# Altium PCB FMC_ADC_100M_10B_16CHA_TDC.PcbDoc (part 6 of 12)
Units mil, origin at the board's own origin, x right, y up, seen from the top; angles counter-clockwise.
Board outline 3037.39 x 2716.54 mil, 6 copper layers (TOP, G1, L2, L3, P3, BOTTOM), stack 50.475 mil thick; 720 components, 633 nets, 2798 pads, 1593 vias.
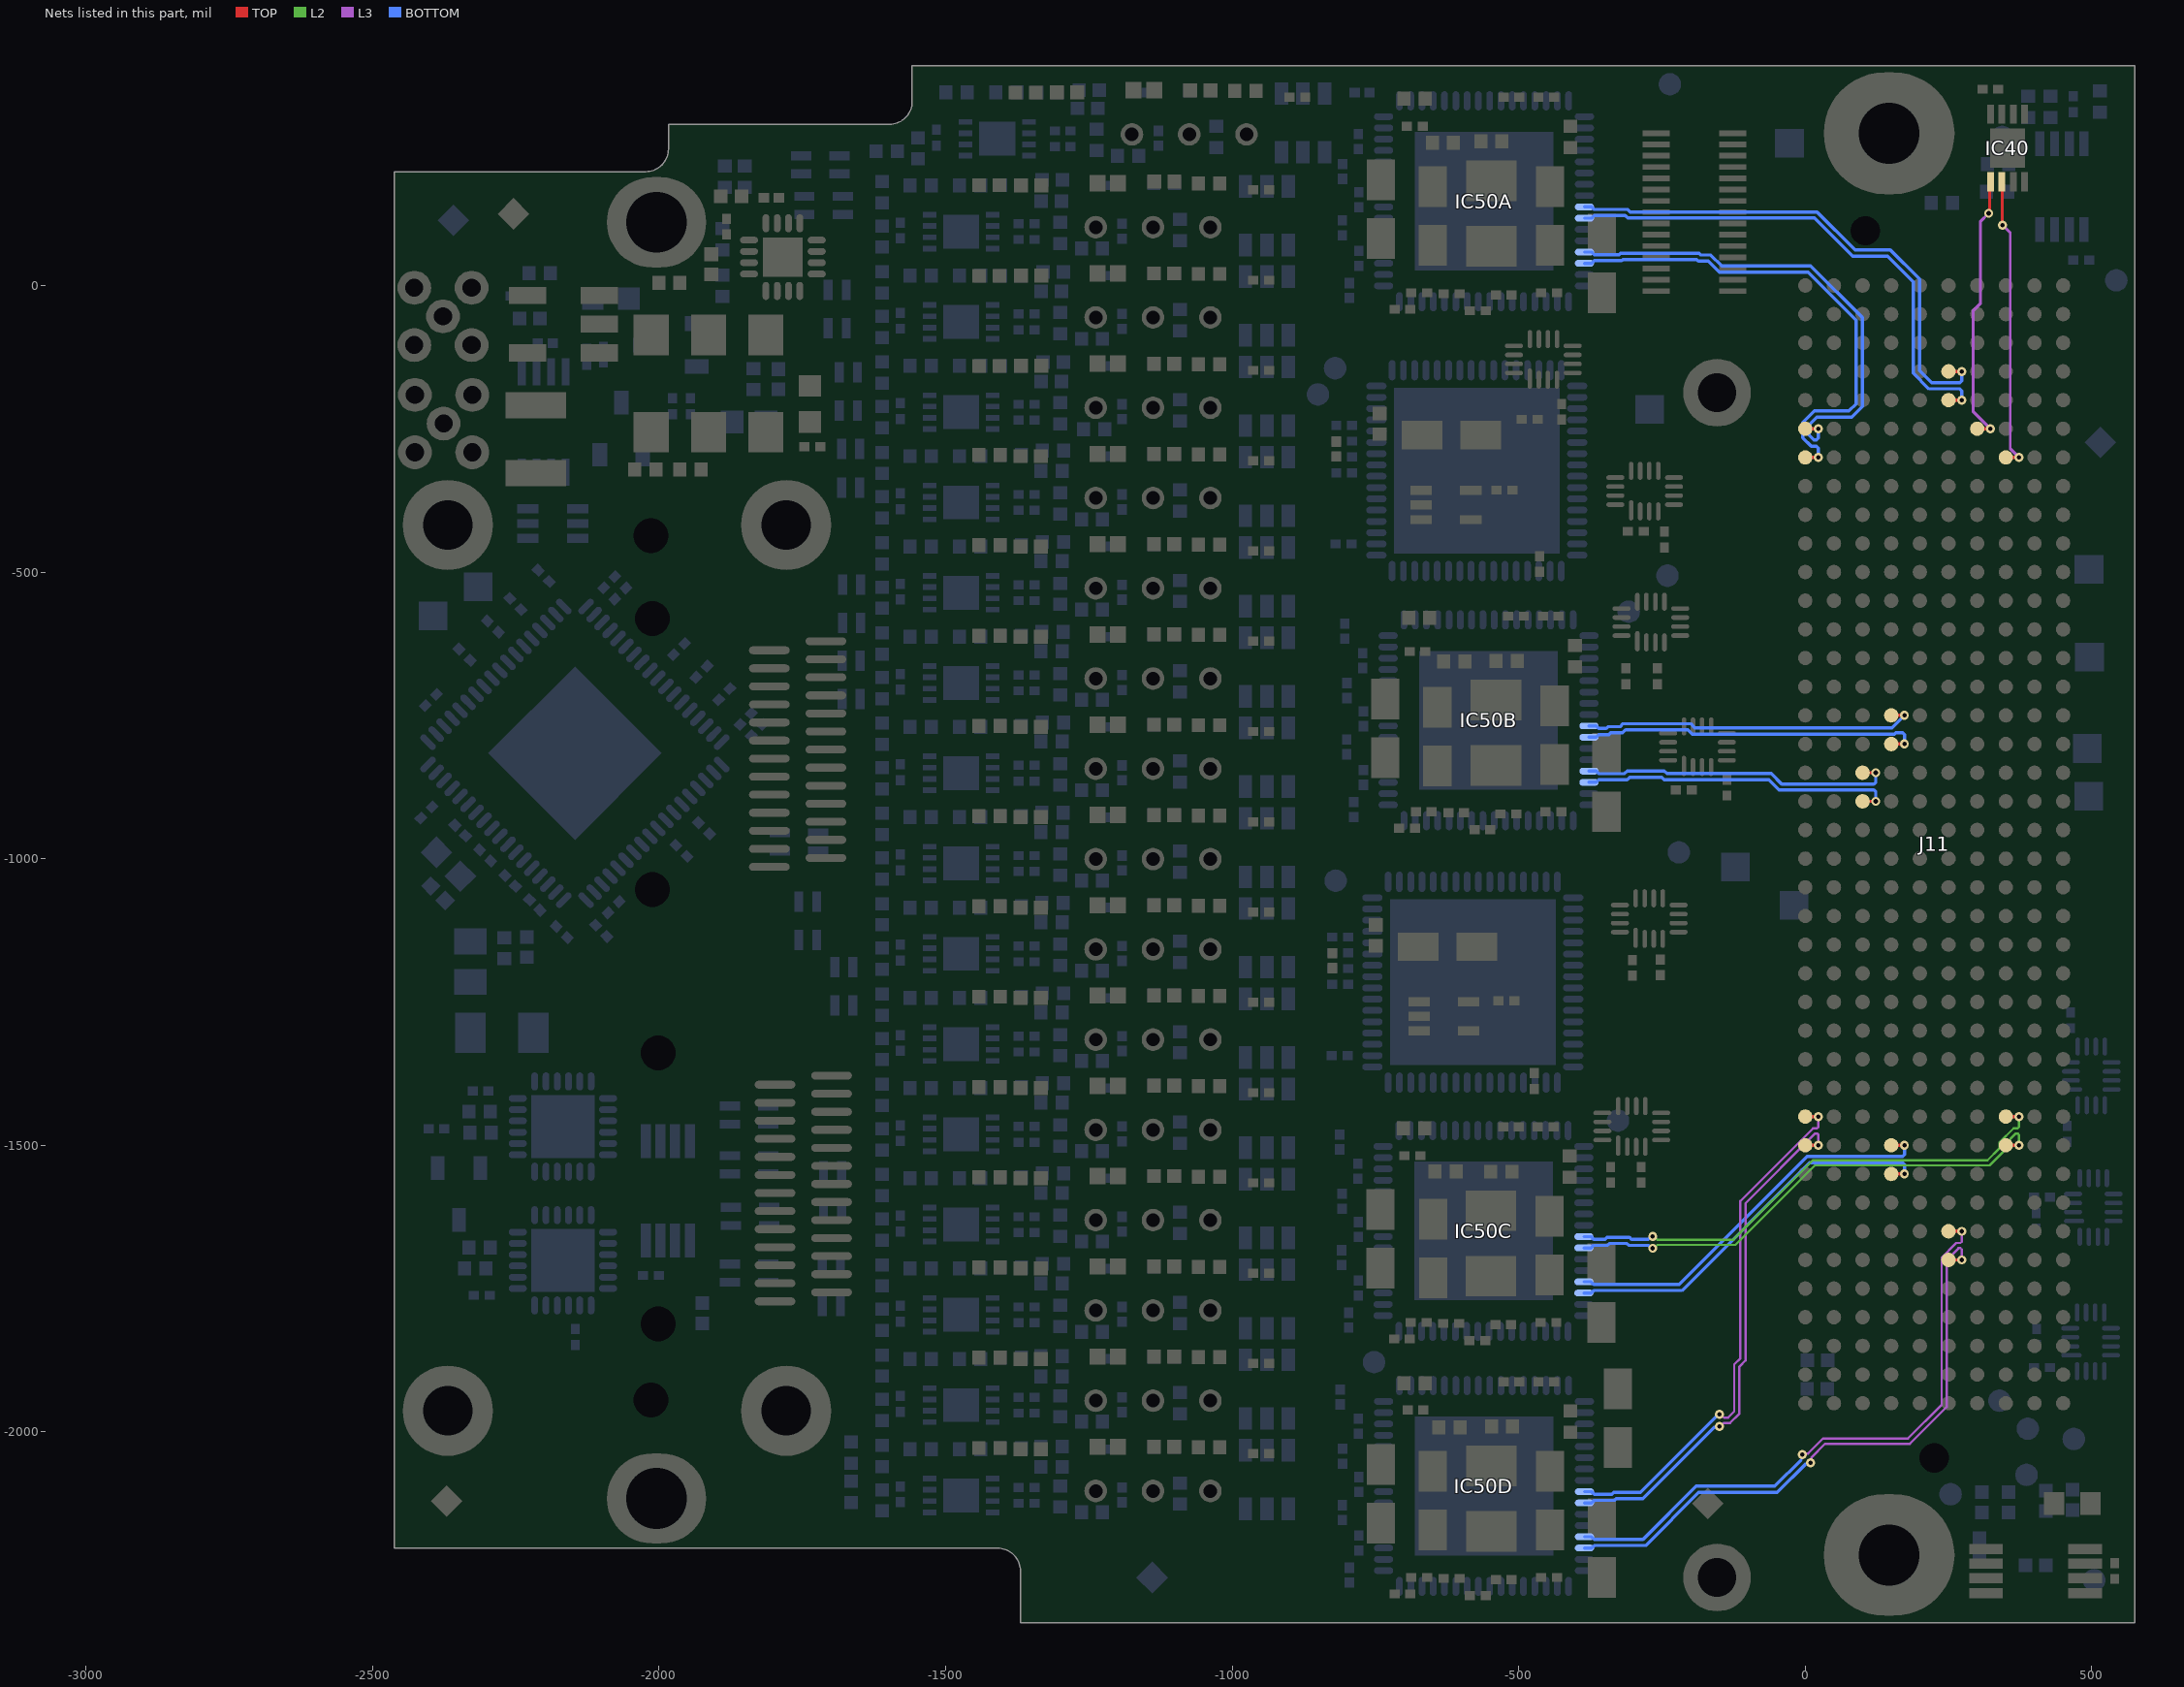
[diagram p10: the nets of this part, all layers, seen from the top]

## Via types
v1: diameter 15.75, hole 7.87, TOP to BOTTOM, tented both sides, 1528 vias
v2: diameter 23.62, hole 11.81, TOP to BOTTOM, tented both sides, 39 vias
v3: diameter 23.62, hole 7.87, TOP to BOTTOM, tented both sides, 26 vias

## Nets (pads, with @x,y where several pads share a name; then routed paths per layer and width w, separated by ;. In a path a pad name is that pad's centre, name@x,y a point inside that pad or via, vN(x,y) a via of type N, cw(c..) or ccw(c..) an arc to the next point about the centre after c; other vN are vias at no path point) (continued)
FRAME2A_N: IC50A.9 J11.e37 | length 919.6
  TOP w5.71: J11.e37@250,-150 v1(273,-150)
  BOTTOM w5.71: IC50A.9@-385.31,137.07 -372.83,137.07 -368.34,132.59 -309.83,132.59 -305.52,128.27 20.64,128.27 86.86,62.05 148.34,62.05 199.44,10.95 199.44,-148.69 220.4,-169.64 269.65,-169.64 273,-166.3 v1(273,-150)
FRAME2A_P: IC50A.10 J11.e36 | length 919.6
  TOP w5.71: J11.e36@250,-200 v1(273,-200)
  BOTTOM w5.71: IC50A.10@-385.31,117.39 -372.83,117.39 -368.34,121.87 -314.27,121.87 -309.95,117.56 16.21,117.56 82.42,51.34 143.91,51.34 188.73,6.52 188.73,-153.13 215.96,-180.36 269.65,-180.36 273,-183.7 v1(273,-200)
FRAME2B_N: IC50B.9 J11.g25 | length 590.9
  TOP w5.71: J11.g25@150,-750 v1(173,-750)
  BOTTOM w5.71: IC50B.9@-377.43,-768.44 -364.95,-768.44 -360.47,-772.92 -347.24,-772.92 -344.08,-769.76 -323.16,-769.76 -317.95,-764.56 -200.07,-764.56 -192.63,-772 151,-772 v1(173,-750)
FRAME2B_P: IC50B.10 J11.g24 | length 600.5
  TOP w5.71: J11.g24@150,-800 v1(173,-800)
  BOTTOM w5.71: IC50B.10@-377.43,-788.12 -364.95,-788.12 -360.47,-783.64 -342.81,-783.64 -339.64,-780.47 -318.72,-780.47 -313.52,-775.27 -204.51,-775.27 -197.07,-782.71 155.44,-782.71 157.79,-780.36 169.65,-780.36 173,-783.7 v1(173,-800)
FRAME2C_N: IC50C.9 J11.c11 | length 896.7
  TOP w5.71: J11.c11@350,-1450 v1(373,-1450)
  L2 w4: v1(-266.21,-1658.85) -263.87,-1658.85 -258,-1664.73 -125.49,-1664.73 13.11,-1526.13 317.91,-1526.13 338.67,-1505.36 338.67,-1495.44 363.62,-1470.5 370.66,-1470.5 373,-1468.16 v1(373,-1450)
  BOTTOM w5.71: IC50C.9@-386.22,-1659.38 -373.75,-1659.38 -369.26,-1663.87 -349.33,-1663.87 -346.08,-1660.62 -306.6,-1660.62 -303.34,-1663.87 -273.95,-1663.87 -268.93,-1658.85 v1(-266.21,-1658.85)
FRAME2C_P: IC50C.10 J11.c10 | length 896.7
  TOP w5.71: J11.c10@350,-1500 v1(373,-1500)
  L2 w4: v1(-266.21,-1679.6) -263.87,-1679.6 -258,-1673.73 -121.76,-1673.73 16.84,-1535.13 321.64,-1535.13 347.67,-1509.09 347.67,-1499.17 367.34,-1479.5 370.66,-1479.5 373,-1481.84 v1(373,-1500)
  BOTTOM w5.71: IC50C.10@-386.22,-1679.07 -373.75,-1679.07 -369.26,-1674.58 -344.9,-1674.58 -341.64,-1671.33 -311.03,-1671.33 -307.78,-1674.58 -273.95,-1674.58 -268.93,-1679.6 v1(-266.21,-1679.6)
FRAME2D_N: IC50D.9 J11.k11 | length 930.3
  TOP w5.71: J11.k11@0,-1450 v1(23,-1450)
  L3 w4: v1(-150,-1969.48) -147.67,-1969.48 -141.78,-1975.37 -134.85,-1975.37 -123.87,-1964.39 -123.87,-1882.24 -113.24,-1871.61 -113.24,-1597.35 13.62,-1470.5 20.66,-1470.5 23,-1468.16 v1(23,-1450)
  BOTTOM w5.71: IC50D.9@-385.31,-2104.27 -372.83,-2104.27 -368.35,-2108.75 -337.62,-2108.75 -334.37,-2105.5 -287.45,-2105.5 -151.43,-1969.48 v1(-150,-1969.48)
FRAME2D_P: IC50D.10 J11.k10 | length 926.2
  TOP w5.71: J11.k10@0,-1500 v1(23,-1500)
  L3 w4: v1(-149.97,-1990.26) -147.64,-1990.26 -141.75,-1984.37 -131.13,-1984.37 -114.87,-1968.12 -114.87,-1885.97 -104.24,-1875.33 -104.24,-1601.08 17.34,-1479.5 20.66,-1479.5 23,-1481.84 v1(23,-1500)
  BOTTOM w5.71: IC50D.10@-385.31,-2123.95 -372.83,-2123.95 -368.35,-2119.46 -333.19,-2119.46 -329.94,-2116.21 -283.02,-2116.21 -158.98,-1992.18 -151.89,-1992.18 v1(-149.97,-1990.26)
FRAME3A_N: IC50A.13 J11.k35 | length 873.6
  TOP w5.71: J11.k35@0,-250 v1(23,-250)
  BOTTOM w5.71: IC50A.13@-385.31,58.33 -372.83,58.33 -368.34,53.85 -324.55,53.85 -322.58,55.81 -184.92,55.81 -182.22,53.11 -164.63,53.11 -145.51,33.99 9.51,33.99 99.44,-55.94 99.44,-160.95 99.44,-210.95 80.84,-229.56 20.19,-229.56 6.56,-243.19 6.56,-261.28 14.92,-269.64 19.65,-269.64 23,-266.3 v1(23,-250)
FRAME3A_P: IC50A.14 J11.k34 | length 873.6
  TOP w5.71: J11.k34@0,-300 v1(23,-300)
  BOTTOM w5.71: IC50A.14@-385.31,38.65 -372.83,38.65 -368.34,43.13 -320.11,43.13 -318.15,45.1 -189.36,45.1 -186.66,42.4 -169.07,42.4 -149.95,23.28 5.07,23.28 88.73,-60.38 88.73,-206.52 76.4,-218.85 15.75,-218.85 -4.16,-238.75 -4.16,-265.72 10.48,-280.36 19.65,-280.36 23,-283.7 v1(23,-300)
FRAME3B_N: IC50B.13 J11.h23 | length 554.2
  TOP w5.71: J11.h23@100,-850 v1(123,-850)
  BOTTOM w5.71: IC50B.13@-377.43,-847.18 -364.95,-847.18 -360.47,-851.66 -315.26,-851.66 -310.7,-847.11 -245.93,-847.11 -241.48,-851.56 -59.22,-851.56 -41.13,-869.64 119.65,-869.64 123,-866.3 v1(123,-850)
FRAME3B_P: IC50B.14 J11.h22 | length 554.2
  TOP w5.71: J11.h22@100,-900 v1(123,-900)
  BOTTOM w5.71: IC50B.14@-377.43,-866.86 -364.95,-866.86 -360.47,-862.38 -310.82,-862.38 -306.27,-857.83 -250.37,-857.83 -245.92,-862.27 -63.66,-862.27 -45.57,-880.36 119.65,-880.36 123,-883.7 v1(123,-900)
FRAME3C_N: IC50C.13 J11.g10 | length 694.1
  TOP w5.71: J11.g10@150,-1500 v1(173,-1500)
  BOTTOM w5.71: IC50C.13@-386.22,-1738.12 -373.75,-1738.12 -369.26,-1742.61 -219.7,-1742.61 3.26,-1519.64 169.65,-1519.64 173,-1516.3 v1(173,-1500)
FRAME3C_P: IC50C.14 J11.g9 | length 694.1
  TOP w5.71: J11.g9@150,-1550 v1(173,-1550)
  BOTTOM w5.71: IC50C.14@-386.22,-1757.81 -373.75,-1757.81 -369.26,-1753.32 -215.27,-1753.32 7.7,-1530.36 169.65,-1530.36 173,-1533.7 v1(173,-1550)
FRAME3D_N: IC50D.13 J11.e7 | length 1061
  TOP w5.71: J11.e7@250,-1650 v1(273,-1650)
  L3 w4: v1(-5.26,-2039.49) -3.6,-2037.83 4.7,-2037.83 30.87,-2011.67 178.96,-2011.67 237.87,-1952.75 237.87,-1696.24 263.62,-1670.5 270.66,-1670.5 273,-1668.16 v1(273,-1650)
  BOTTOM w5.71: IC50D.13@-385.31,-2183.01 -372.83,-2183.01 -368.35,-2187.49 -283,-2187.49 -190.3,-2094.79 -53.46,-2094.79 -7.18,-2048.5
FRAME3D_P: IC50D.14 J11.e6 | length 1062.5
  TOP w5.71: J11.e6@250,-1700 v1(273,-1700)
  L3 w4: v1(9.41,-2054.16) 11.07,-2052.5 11.07,-2044.2 34.6,-2020.67 182.68,-2020.67 246.87,-1956.48 246.87,-1699.97 267.34,-1679.5 270.66,-1679.5 273,-1681.84 v1(273,-1700)
  BOTTOM w5.71: IC50D.14@-385.31,-2202.69 -372.83,-2202.69 -368.35,-2198.2 -278.56,-2198.2 -185.86,-2105.5 -49.02,-2105.5 0.4,-2056.08
GA0: IC40.2 J11.c34 | length 516.2
  TOP w5: IC40.2@343.15,180.81 343.61,180.35 343.61,105.89 v1(344.07,105.43)
  TOP w5.71: J11.c34@350,-300 v1(373,-300)
  L3 w5: v1(344.07,105.43) 357.63,91.87 357.63,-284.63 v1(373,-300)
GA1: IC40.1 J11.d35 | length 479.2
  TOP w5: v1(320,126) 321.73,127.73 321.73,179.08 IC40.1@323.47,180.81
  TOP w5.71: J11.d35@300,-250 v1(323,-250)
  L3 w5: v1(320,126) 305.28,111.28 305.28,-31.86 292.63,-44.52 292.63,-219.63 v1(323,-250)